# Allegro board Learn.brd (continued)
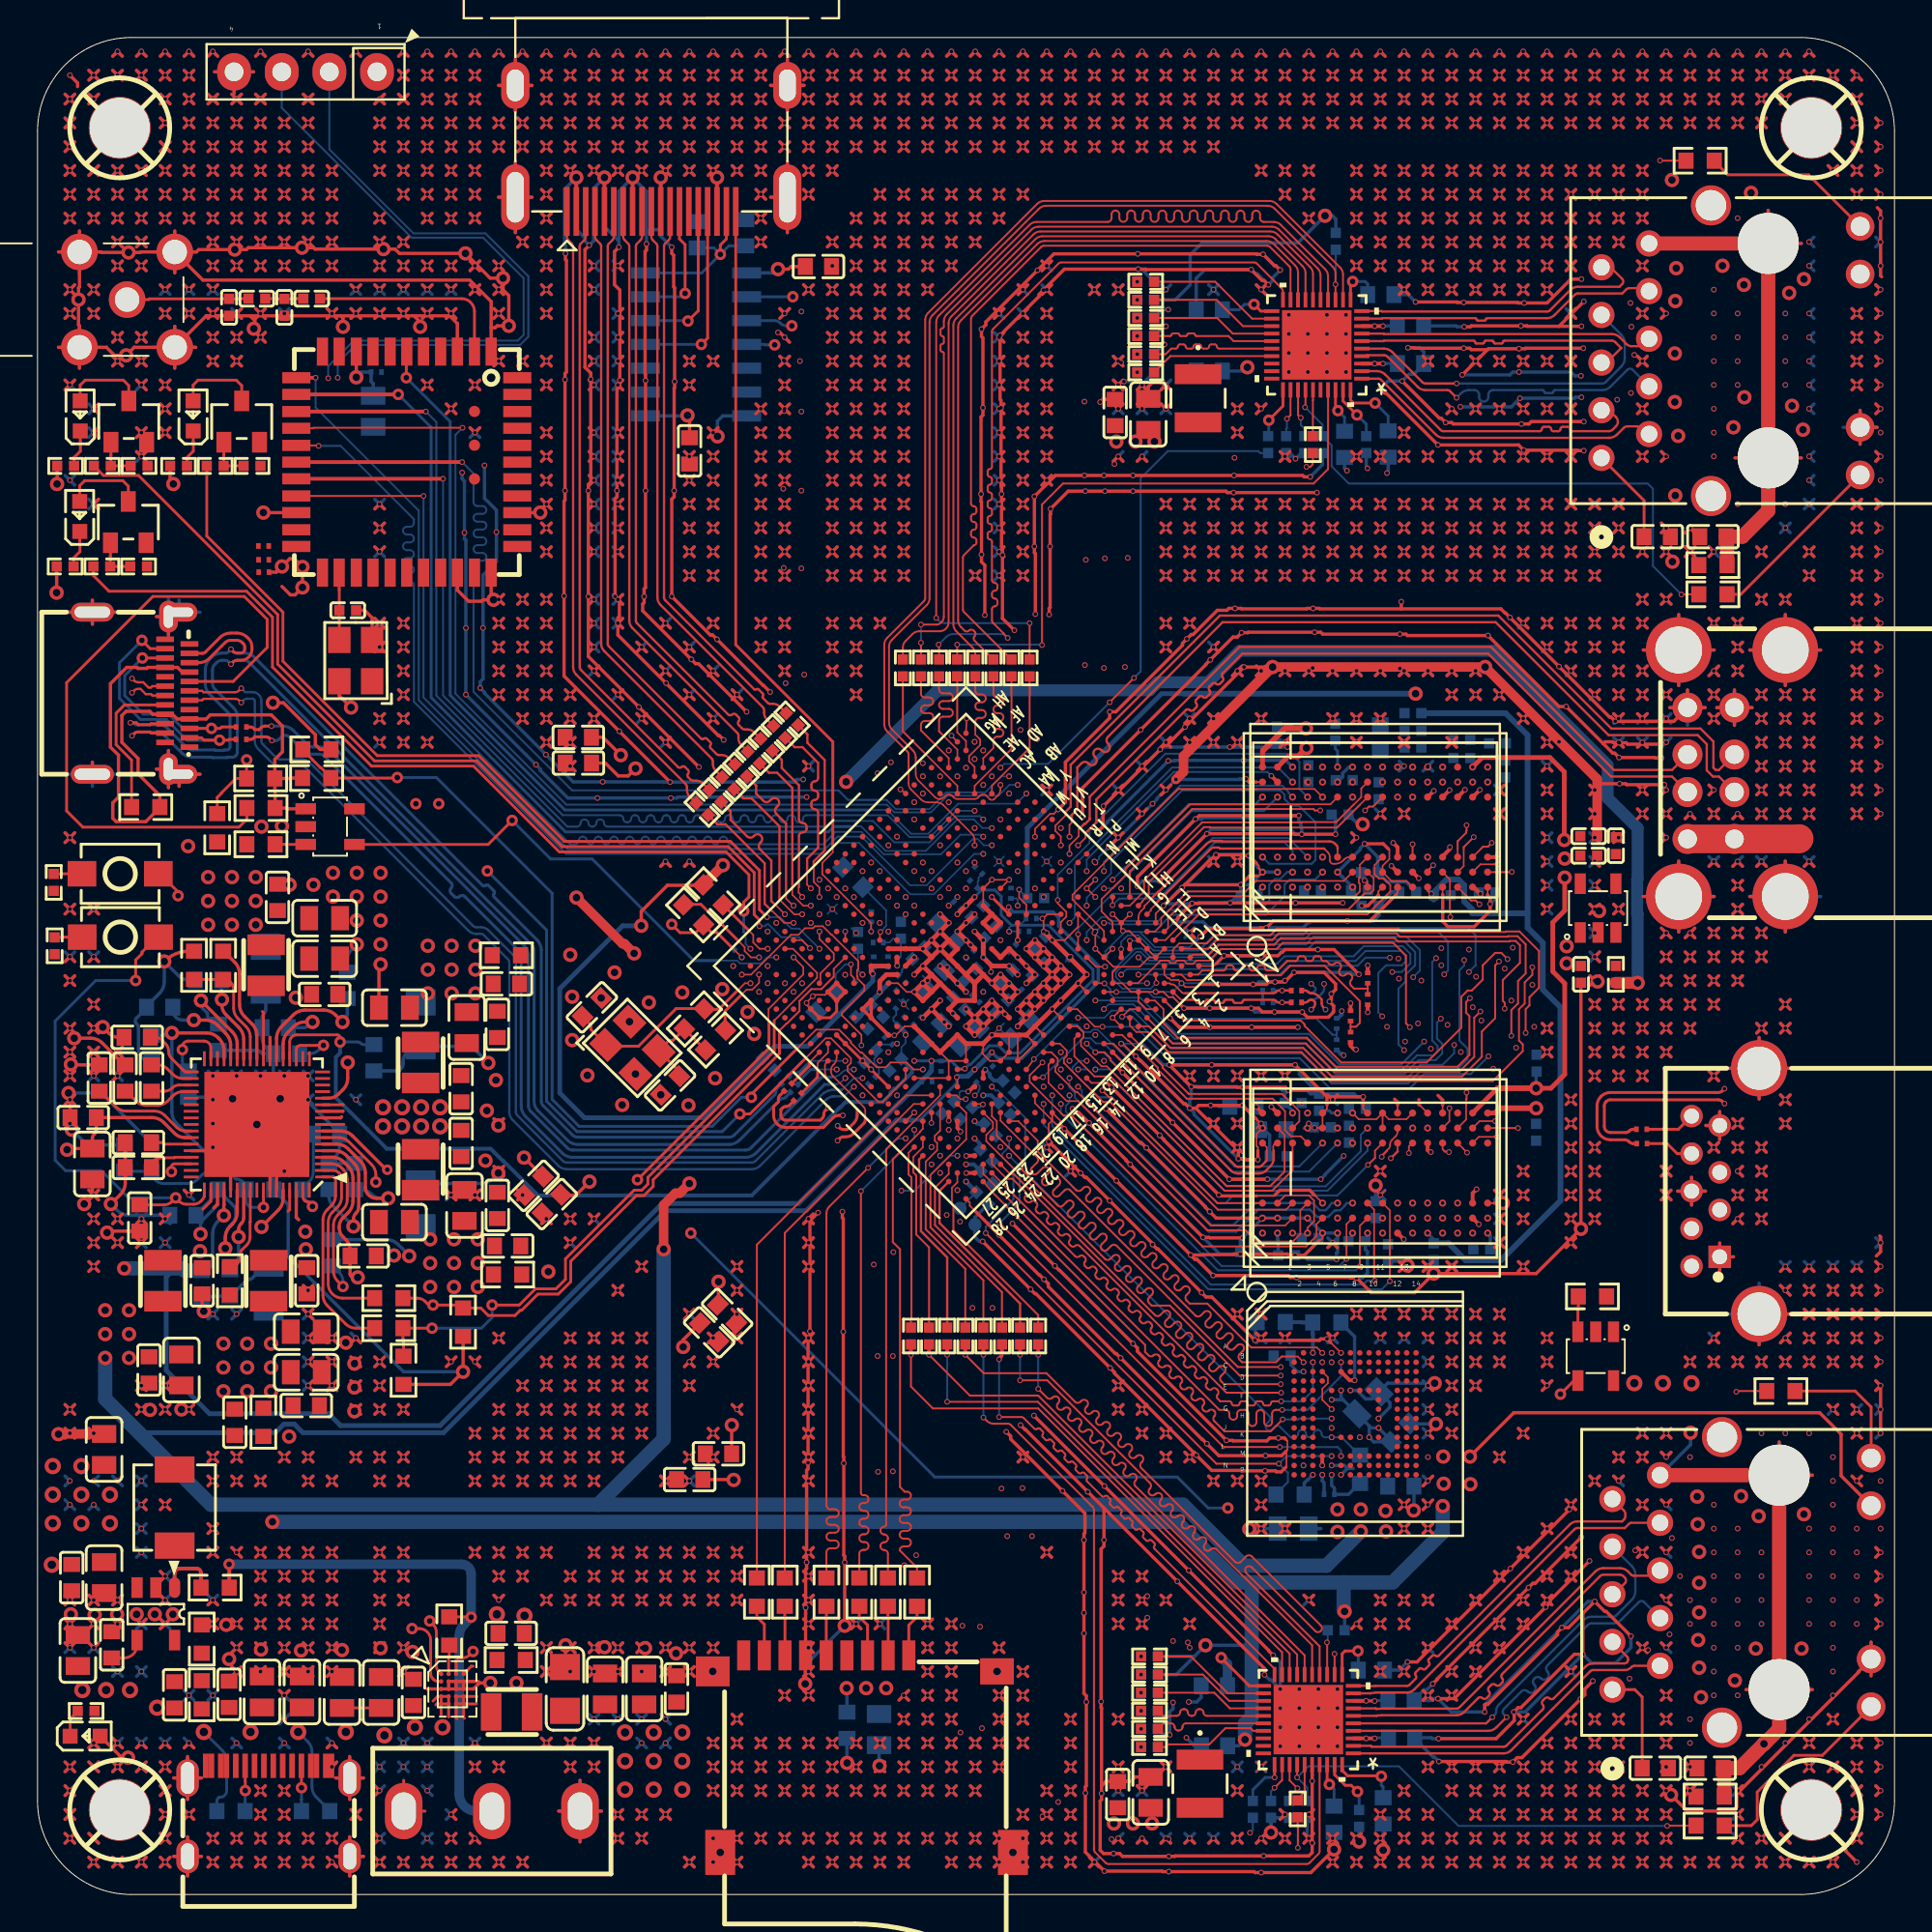
[diagram p0: board, top side]
## Routing (per net, layer and track width the routed paths; a pad name or vN(x,y) marks a point on that pad's centre or on a via; arc(x,y) is an arc through that point) (continued)
N150505730: length 1.9
  TOP w0.152: R132.1 82.13,31.28 82.11,31.26 U20.3
N151080080: length 1.5
  TOP w0.152: R147.2 1.35,51.02 1.36,51.03 SW3.1
N151082521: length 1.5
  TOP w0.152: SW2.1 1.31,54.41 1.3,54.4 R146.2

## Copper pours and planes (outline as drawn; the poured copper is in the pictures)
GND_ETH0 on TOP: 97.26,20.8 97.26,12.37 91.14,6.25 88.21,6.25 87.96,6.5 87.96,25.02 88.06,25.12 95.2,25.12 95.89,24.43 95.89,22.17
GND_ETH0 on BOTTOM: 97.23,6.6 96.88,6.25 88.19,6.25 87.93,6.5 87.93,25.02 88.04,25.12 97.18,25.12 97.23,25.07
GND_ETH0 on GND1, GND2: 97.26,6.6 96.9,6.25 88.21,6.25 87.96,6.5 87.96,25.02 88.06,25.12 97.21,25.12 97.26,25.07
GND_ETH1 on TOP: 96.09,89.66 96.09,74.45 94.21,72.57 87.05,72.57 86.79,72.82 86.79,91.34 86.89,91.44 94.31,91.44
GND_ETH1 on BOTTOM: 91.87,72.95 87.05,72.95 86.79,73.2 86.79,91.72 86.89,91.82 92.76,91.82 94.46,90.12 94.46,75.54
GND_ETH1 on GND1, GND2: 96.09,73.15 95.73,72.8 87.05,72.8 86.79,73.05 86.79,91.57 86.89,91.67 96.04,91.67 96.09,91.62
GND_POWER on TOP: 1.37,16.61 1.37,13.44 1.47,13.34 4.29,13.34 4.39,13.44 4.39,14.3 4.52,14.43 7.77,14.43 8,14.2 8,13.54 8.1,13.44 9.25,13.44 9.68,13 9.68,11.02 9.88,10.82 23.42,10.82 23.5,10.9 34.52,10.9 34.77,11.15 34.77,13.34 34.47,13.64 27.05,13.64 26.8,13.39 26.8,11.84 26.62,11.66 23.52,11.66 23.39,11.53 21.82,11.53 21.74,11.46 21.74,11.28 21.64,11.18 20.95,11.18 20.73,11.4 20.73,13.46 20.5,13.69 11.18,13.69 10.69,14.17 10.69,15.11 10.31,15.49 6.88,15.49 6.6,15.77 6.6,16.92 6.05,16.92 6.02,16.89 6.02,15.6 5.92,15.49 4.39,15.49 4.27,15.62 4.27,16.48 4.14,16.61
GND_POWER on TOP: 30.61,41.4 34.77,41.4 38.73,45.36 38.73,46.25 38.33,46.66 38.33,47.62 39.17,48.46 39.17,49.58 39.07,49.68 38.73,49.68 37.82,48.77 32.08,48.77 31.19,49.66 29.69,49.66 27.56,47.52 27.56,44.45
GND_POWER on TOP: 89.15,70.41 89.15,72.8 88.98,72.97 86.59,72.97 86.39,72.77 86.39,70.54 86.51,70.41
GND_POWER on TOP: 17.7,36.5 17.7,33.58 17.88,33.4 19.99,33.4 20.27,33.68 20.27,34.26 19.94,34.59 19.41,34.59 19.13,34.87 19.13,36.37 19,36.5
GND_POWER on TOP: 83.62,56.08 84.43,56.08 84.43,57.23 84.4,57.25 82.88,57.25 82.85,57.23 82.85,49.02 82.75,48.92 81.99,48.92 81.94,48.87 81.94,48.34 82.02,48.26 83.52,48.26 83.59,48.34 83.59,56.06
GND_POWER on TOP: 14.91,56.57 11.79,56.57 11.63,56.41 11.63,55.47 11.3,55.14 7.47,55.14 7.19,55.42 7.19,56.49 7.32,56.62 10.97,56.62 11.63,57.28 14.86,57.28 14.91,57.23
GND_POWER on TOP: 22.15,38.23 21.92,38 21.92,37.13 22.05,37.01 24.92,37.01 25.02,37.11 25.02,46.05 24.89,46.18 22.33,46.18 22.02,45.87 22.02,43.05 22.12,42.95 23.16,42.95 23.44,42.67 23.44,40.44 23.14,40.13 22.33,40.13 22.15,39.95
GND_POWER on TOP: 88.95,4.62 88.95,7.21 88.85,7.32 86.56,7.32 86.49,7.24 86.49,4.78 86.64,4.62
GND_POWER on TOP: 12.34,53.44 15.11,53.44 15.65,52.91 15.65,47.5 15.67,47.47 16.61,47.47 17.68,46.41 18.64,46.41 18.9,46.66 18.9,54.97 18.69,55.17 12.47,55.17 12.32,55.02 12.32,53.47
GND_POWER on TOP: 41.35,10.74 41.35,13.54 41.27,13.61 40.61,13.61 40.51,13.51 40.51,10.74 40.56,10.69 41.3,10.69
GND_POWER on TOP: 83.44,29.41 83.44,31.17 83.59,31.32 84.05,31.32 84.12,31.39 84.12,32.33 84.05,32.41 83.24,32.41 83.13,32.31 83.13,31.6 83.16,31.57 83.16,31.29 82.96,31.09 82.78,31.09 82.7,31.01 82.7,29.36 83.39,29.36
GND_POWER on TOP: 8.28,27.64 5.31,27.64 5.05,27.38 5.05,25.91 5.54,25.43 8.08,25.43 8.28,25.63
GND_POWER on TOP: 13.89,32.44 13.89,31.6 14.66,30.84 14.66,25.45 14.76,25.35 17.14,25.35 17.27,25.48 17.27,29.16 14.81,31.62 14.81,32.41 14.78,32.44
GND_POWER on TOP, BOTTOM: 0.66,93.98 1.93,97.05 5,98.32 93.98,98.32 97.05,97.05 98.32,93.98 98.32,5 97.05,1.93 93.98,0.66 5,0.66 1.93,1.93 0.66,5
GND_POWER on GND1, GND2: 0.3,93.98 1.68,97.3 5,98.68 93.98,98.68 97.3,97.3 98.68,93.98 98.68,5 97.3,1.68 93.98,0.3 5,0.3 1.68,1.68 0.3,5
GND_POWER on SIG: 0.3,93.98 1.68,97.3 5,98.68 93.98,98.68 97.3,97.3 98.68,93.98 98.68,5 97.3,1.68 93.98,0.3 5,0.3 1.68,1.68 0.3,5 ; 5 cut-outs
VCC3V3_SD on TOP: 42.75,13.59 42.75,10.59 42.85,10.49 45.8,10.49 45.85,10.54 45.85,11.48 45.82,11.51 43.64,11.51 43.48,11.66 43.48,13.59 43.41,13.67 42.82,13.67
VCC3V3_SD on BOTTOM: 42.8,9.12 45.87,9.12 45.95,9.19 45.95,11.51 45.9,11.56 42.85,11.56 42.75,11.46 42.75,9.17
VCC25_DDR on TOP: 82.52,53.34 82.52,56.72 82.5,56.74 81,56.74 80.9,56.64 80.9,53.39 80.95,53.34
VCC25_DDR on BOTTOM: 76.71,59.97 76.71,61.85 76.66,61.9 76.12,61.9 76.1,61.87 76.1,59.99 76.17,59.92 76.66,59.92
VCC25_DDR on BOTTOM: 80.31,42.62 80.31,44.04 80.21,44.15 79.55,44.15 79.45,44.04 79.45,42.62 79.5,42.57 80.26,42.57
VCC_1V8 on TOP: 9.47,30.78 9.22,30.53 8.53,30.53 8.24,30.82 8.24,31.94 8,32.18 3.56,32.18 3.33,31.95 3.33,28.55 3.63,28.24 8.31,28.24 8.48,28.42 8.48,29.87 8.61,30 10.31,30 10.82,30.51 10.82,32.28 10.74,32.36 9.65,32.36 9.47,32.18
VCC_1V8 on TOP: 12.14,72.24 12.14,69.93 12.93,69.14 14.38,69.14 14.63,69.39 14.63,72.16 14.55,72.24
VCC_1V8 on BOTTOM: 67.16,18.82 67.16,21.84 68.4,23.09 68.66,23.09 68.66,22.78 68.71,22.73 69.11,22.73 69.24,22.61 69.24,21.72 69.37,21.59 69.9,21.59 70.03,21.72 70.03,22.35 70.05,22.38 72.52,22.38 72.67,22.23 72.67,19.33 72.16,18.82
VCC_1V8 on BOTTOM: 3.2,31.34 3.2,28.27 3.3,28.17 5.16,28.17 5.38,28.4 5.38,31.42 5.28,31.52 3.38,31.52
VCC_3V3 on TOP: 64.19,81.05 66.17,81.05 66.24,81.13 66.24,81.69 66.14,81.79 64.11,81.79 64.08,81.76 64.08,81.15
VCC_3V3 on TOP: 65.76,7.82 64.21,7.82 63.93,8.1 63.93,8.61 63.98,8.66 64.57,8.66 64.8,8.43 65.74,8.43 65.76,8.41 65.76,8.23 65.74,8.2 64.92,8.2 64.92,8.05 64.95,8.03 65.76,8.03
VCC_3V3 on BOTTOM: 63.02,7.47 64.8,7.47 64.87,7.54 64.87,8.46 64.62,8.71 62.99,8.71 62.97,8.69 62.97,7.52
VCC_3V3 on BOTTOM: 62.74,80.75 64.85,80.75 64.97,80.87 64.97,81.66 64.8,81.84 62.84,81.84 62.74,81.74
VCC_3V3 on BOTTOM: 72.01,23.14 68.83,26.31 68.83,26.72 69.24,27.13 69.9,27.13 73.03,24 73.05,24.03 76.61,24.03 77.09,23.55 77.09,20.5 76.83,20.24 74.63,20.24 74.42,20.45 74.42,22.89 74.17,23.14
VCC_3V3_SYS on TOP: 82.58,49.23 82.58,51.84 81.2,51.84 81.05,51.69 81.05,49.33 81.15,49.23
VCC_3V3_SYS on TOP: 12.32,44.15 12.32,46.66 13.39,47.73 13.39,48.46 13.59,48.67 14.91,48.67 15.04,48.54 15.04,47.57 14.88,47.42 13.79,47.42 12.47,46.1 12.47,44.15
VCC_3V3_SYS on TOP: 9.68,37.97 9.68,36.7 9.22,36.25 9.22,32.99 8.13,32.99 7.87,33.25 7.87,35.26 9.5,36.88 9.5,37.97
VCC_3V3_SYS on TOP: 13.72,37.95 13.72,33.15 14,32.87 14.78,32.87 14.83,32.92 14.83,36.02 13.87,36.98 13.87,37.95
VCC_3V3_SYS on TOP: 14.78,41.83 17.14,41.83 17.75,42.44 21.51,42.44 21.74,42.67 23.19,42.67 23.27,42.6 23.27,40.49 23.06,40.28 21.64,40.28 21.44,40.49 17.98,40.49 17.17,41.3 14.78,41.3
VCC_3V3_SYS on TOP: 9.19,9.47 6.17,9.47 5.89,9.75 5.89,10.31 6.02,10.44 9.14,10.44 9.25,10.34 9.25,9.53
VCC_3V3_SYS on TOP: 8.43,21.92 5.61,21.92 5.08,21.39 5.08,19.18 4.27,18.36 4.27,17.17 4.19,17.09 0.38,17.09 0.33,17.14 0.33,23.14 0.58,23.39 8.43,23.39
VCC_3V3_SYS on PWR: 0.79,16.74 2.95,16.74 8.48,22.28 8.48,31.62 8.71,31.85 17.22,31.85 19.74,34.37 19.74,35.64 19.99,35.89 21.56,35.89 22.28,36.6 22.28,46.05 21.13,47.19 19.68,47.19 19.05,47.83 19.05,49.05 17.55,50.55 4.72,50.55 0.41,46.23 0.41,17.12
VCC_CPU on TOP: 25.81,10.74 34.57,10.74 34.87,10.44 34.87,4.75 34.85,4.72 30.86,4.72 30.81,4.78 30.81,8.03 30.12,8.71 25.78,8.71 25.78,10.72
VCC_CPU on TOP: 26.42,12.06 26.42,15.24 26.37,15.29 25.58,15.29 25.53,15.24 25.53,12.06 25.58,12.01 26.37,12.01
VCC_CPU on BOTTOM: 49.99,45.57 50.19,45.57 51.26,46.63 51.59,46.63 51.71,46.51 51.79,46.51 51.99,46.71 51.99,46.81 50.98,47.83 50.83,47.83 50.14,47.14 49.94,47.14 49.53,47.55 49.43,47.55 49.05,47.17 49.05,47.07 49.4,46.71 49.4,46.41 49.3,46.3 49.3,46.25
VCC_CPU on PWR: 31.14,5.23 40.87,5.23 51.94,16.31 51.94,46.66 52.02,46.74 52.02,46.84 50.95,47.9 50.67,47.9 50.13,47.36 49.45,47.36 49.35,47.25 49.35,46.12 45.97,42.75 45.97,35.41 30.89,20.32 30.89,5.49
VCC_DDR4 on TOP: 14.99,49.23 14.17,49.23 13.31,50.09 10.59,50.09 10.31,49.81 9.35,49.81 9.3,49.86 9.3,50.67 8.94,51.03 8.94,54.43 8.99,54.48 11.84,54.48 11.94,54.38 11.94,53.24 12.09,53.09 14.78,53.09 14.99,52.88
VCC_DDR4 on BOTTOM: 64.49,42.55 64.49,41.61 64.77,41.33 65.74,41.33 66.07,41 66.07,39.32 66.4,38.99 66.93,38.99 67.06,39.12 67.06,41.17 65.61,42.62 64.57,42.62
VCC_DDR4 on BOTTOM: 71.17,59 71.93,59 72.06,59.13 72.06,61.34 72.03,61.37 71.12,61.37 71.07,61.32 71.07,59.11
VCC_DDR4 on BOTTOM: 64.67,33.96 67.41,33.96 67.94,34.49 67.94,35.59 67.64,35.89 65.46,35.89 64.59,35.03 64.59,34.04
VCC_DDR4 on BOTTOM: 73.13,59.89 73.46,59.89 74.14,60.58 74.14,62.31 74.09,62.36 73.48,62.36 73.48,60.83 73.36,60.71 73.18,60.71 72.97,60.5 72.97,60.05
VCC_DDR4 on BOTTOM: 77.19,59.97 78.31,59.97 78.56,60.22 78.56,60.66 78.46,60.76 77.7,60.76 77.67,60.78 77.67,61.49 77.6,61.57 77.06,61.57 77.01,61.52 77.01,60.15
VCC_DDR4 on BOTTOM: 52.04,47.19 52.04,46.28 52.37,45.95 52.86,45.95 53.49,46.58 53.49,47.17 55.17,48.84 55.17,49.12 53.26,51.03 53.09,51.03 52.5,50.44 52.5,50.34 53.67,49.17 53.67,48.82
VCC_DDR4 on BOTTOM: 73.58,34.19 69.88,34.19 69.6,34.47 69.6,35.41 69.11,35.89 69.11,36.17 69.37,36.42 73.23,36.42 73.58,36.07
VCC_DDR4 on BOTTOM: 13,49.78 10.16,49.78 8.33,51.61 8.33,54.58 8.48,54.74 11.96,54.74 12.22,54.48 12.22,52.32 13.06,51.49 13.06,49.83
VCC_DDR4 on BOTTOM: 68.05,59.92 68.05,62.31 67.74,62.61 67.36,62.61 67.34,62.59 67.34,60.05 67.41,59.97 67.41,59.94 67.44,59.92
VCC_DDR4 on BOTTOM: 80.26,40.77 80.26,42.19 80.14,42.32 79.48,42.32 79.45,42.29 79.45,40.79 79.5,40.74 80.24,40.74
VCC_DDR4 on PWR: 52.16,46.62 52.22,46.69 52.22,46.89 51.99,47.12 51.99,47.27 53.57,48.84 53.57,49.2 52.58,50.19 52.58,50.7 53.57,51.69 53.59,51.69 56.18,54.28 56.18,59.39 51.99,63.58 21.06,63.58 12.34,54.86 12.34,51.49 11.81,50.95 6.55,50.95 5,52.5 5,65.05 8.84,68.88 84.05,68.88 86.66,66.27 86.66,30.15 85.83,29.31 54.43,29.31 52.16,31.58
VCC_GPU on TOP: 19.41,38.1 19.41,34.98 19.61,34.77 20.09,34.77 20.42,34.44 20.42,32.18 20.62,31.98 24.51,31.98 24.87,32.33 24.87,36.47 22.07,36.47 21.44,37.11 21.44,38.1
VCC_GPU on TOP: 25.32,35.05 25.32,32.64 25.45,32.51 27.53,32.51 27.91,32.89 27.91,33.66 27.61,33.96 26.7,33.96 26.21,34.44 26.21,34.92 26.09,35.05
VCC_GPU on BOTTOM: 19.61,36.25 19.61,34.9 19.81,34.7 20.4,34.7 20.42,34.72 20.52,34.62 20.52,32.18 20.75,31.95 23.72,31.95 24,32.23 24,35.92 23.65,36.27 19.63,36.27
VCC_GPU on BOTTOM: 49.94,50.11 50.11,50.29 50.11,50.57 49.53,51.16 49.53,51.44 50.19,52.1 50.19,52.25 49.94,52.5 49.76,52.5 48.87,51.61 48.87,51.31 48.36,50.8 48.36,50.72 48.87,50.22 48.97,50.22 49.3,50.55 49.45,50.55 49.89,50.11
VCC_GPU on PWR: 20.35,31.9 24.49,31.9 42.76,50.18 50.05,50.18 50.19,50.32 50.19,50.6 49.63,51.16 49.63,51.41 50.39,52.17 50.39,53.42 48.13,55.68 38.46,55.68 38.44,55.66 33.72,55.66 22.61,44.55 22.61,35.99 22.02,35.41 20.8,35.41 20.12,34.72 20.12,32.13
VCC_LOGIC on TOP: 25.32,48.06 25.32,50.47 25.45,50.6 29.34,50.6 29.46,50.47 29.46,49.71 28.91,49.15 26.7,49.15 26.21,48.67 26.21,48.18 26.09,48.06
VCC_LOGIC on TOP: 19.4,44.91 19.4,50.82 19.6,51.03 24.51,51.03 24.86,50.67 24.86,46.53 22.07,46.53 21.43,45.9 21.43,44.91
VCC_LOGIC on BOTTOM: 49.83,47.75 49.63,47.75 48.74,48.64 48.39,48.64 47.75,49.28 47.75,49.4 48.23,49.89 48.34,49.89 49.1,49.12 49.4,49.12 50.04,48.49 50.04,47.96
VCC_LOGIC on BOTTOM: 50.47,51.38 50.09,51 50.09,50.88 50.29,50.67 50.29,49.86 50.83,49.33 51.38,49.33 51.41,49.35 51.49,49.35 52.07,48.77 52.22,48.77 52.4,48.95 52.4,49.28 50.85,50.83 50.85,51
VCC_LOGIC on BOTTOM: 20.4,50.95 20.4,49.1 19.58,48.29 19.58,46.84 19.66,46.76 23.52,46.76 23.77,47.02 23.77,50.88 23.65,51 20.45,51
VCC_LOGIC on PWR: 49.53,47.68 50.29,48.44 51.33,48.44 51.49,48.29 52.68,48.29 53.26,48.87 53.26,49.35 52.45,50.16 52.45,50.8 55.8,54.15 55.8,58.7 51.46,63.04 27.36,63.04 20.37,56.06 20.37,47.8 20.62,47.55 23.75,47.55 32.59,56.39 48.69,56.39 50.83,54.25 50.83,52.4 49.83,51.41 49.83,51.26 50.32,50.77 50.32,50.19 49.76,49.63 48.01,49.63 47.65,49.28 47.65,48.54 48.51,47.68
VCC_NPU on TOP: 10.03,24.89 13.82,24.89 13.92,24.79 13.92,24 13.82,23.9 10.01,23.9 9.93,23.98 9.93,24.79
VCC_NPU on TOP: 11.3,32.18 11.3,30.56 10.49,29.74 8.84,29.74 8.74,29.64 8.74,25.43 8.81,25.35 13.92,25.35 14.07,25.5 14.07,30.53 13.31,31.29 13.31,32.21 11.33,32.21
VCC_NPU on BOTTOM: 48.87,46.35 48.87,46.38 48.23,47.02 48.23,47.47 48.31,47.55 48.31,47.75 48.18,47.88 47.93,47.88 46.89,46.84 46.89,46.71 47.85,45.75 48.26,45.75
VCC_NPU on BOTTOM: 11.53,31.98 11.53,31.57 9.47,29.51 9.47,26.44 9.58,26.34 12.95,26.34 13.13,26.52 13.13,32.03 11.58,32.03
VCC_NPU on PWR: 9.63,29.84 12.98,29.84 12.99,29.83 25.49,29.83 25.5,29.82 43.56,47.88 48.11,47.88 48.87,47.12 48.87,46.28 48.5,45.91 47.31,45.91 44.58,43.18 44.58,35.86 28.12,19.41 19.86,19.41 14,25.27 10.54,25.27 9.42,26.39 9.42,29.64
VCC_USB_HOST on TOP: 83.77,29.49 88.42,29.49 92.76,33.83 97.05,33.83 97.76,34.54 97.76,56.54 97.28,57.02 87.63,57.02 87,56.39 87,56.21 87.68,55.52 94.74,55.52 95.28,54.99 95.28,37.16 93.52,35.41 89.43,35.41 89.03,35 89.03,33.07 86.54,30.58 83.72,30.58 83.72,29.54
VDD_CPU_COM on TOP: 24.92,11.86 24.92,15.32 24.84,15.39 24.21,15.39 24.08,15.27 24.08,12.6 23.95,12.47 22.73,12.47 22.58,12.32 22.58,11.66 22.89,11.66 23.04,11.81 24.87,11.81
VIN_5V on TOP: 16.36,57.53 21.87,57.53 21.97,57.63 21.97,58.65 21.92,58.7 17.93,58.7 17.45,58.22 16.38,58.22 16.36,58.19
VIN_5V on TOP: 83.62,26.16 83.62,27.91 83.69,27.99 84.2,27.99 84.35,27.84 84.35,26.7 84.51,26.54 84.66,26.54 84.66,27.69 84.71,27.74 88.85,27.74 88.9,27.69 88.9,26.14 88.72,25.96 83.82,25.96
VIN_5V on TOP: 14.38,6.17 14.38,7.85 14.12,8.1 10.41,8.1 10.26,7.95 10.26,6.15 9.55,6.15 9.55,7.92 9.37,8.1 4.78,8.1 3.63,9.25 2.79,9.25 2.72,9.32 2.72,10.19 2.54,10.36 0.89,10.36 0.69,10.57 0.69,12.57 0.86,12.75 2.87,12.75 2.95,12.83 4.83,12.83 4.95,12.95 4.95,14.15 5.66,14.15 5.66,9.68 6.1,9.25 9.5,9.25 9.73,9.47 9.73,10.41 9.8,10.49 21.23,10.49 21.41,10.67 21.97,10.67 22.05,10.59 22.05,4.24 20.65,2.84 18.49,2.84 18.14,3.2 18.14,7.01 17.04,8.1 15.29,8.1 15.06,7.87 15.06,6.17
DDRPHY_VREFOUT on BOTTOM: 73.15,61.75 73.15,63.35 73.25,63.45 74.02,63.45 74.07,63.5 74.07,64.49 74.04,64.52 72.59,64.52 72.57,64.49 72.57,61.75
ETH0_VCC_1V on TOP: 56.95,5.18 63.22,5.18 63.27,5.13 63.27,3.78 62.81,3.33 57.25,3.33 56.95,3.63
ETH0_VCC_1V on PWR: 66.8,4.32 70.08,7.59 70.08,11.51 69.88,11.71 63.32,11.71 62.41,12.62 62.41,14.5 62.74,14.83 70.89,14.83 72.36,13.36 72.36,4.9 70.18,2.72 57.28,2.72 56.77,3.23 56.77,4.22 56.87,4.32
ETH1_VCC_1V on TOP: 63.32,76.78 63.4,76.86 63.4,78.92 63.27,79.04 56.97,79.04 56.74,78.82 56.74,76.91 56.87,76.78
ETH1_VCC_1V on PWR: 56.97,76.76 71.27,76.76 72.09,77.57 72.09,86.18 71.81,86.46 62.81,86.46 61.82,85.47 61.82,83.46 62.13,83.16 64.92,83.16 66.62,84.86 69.85,84.86 70.51,84.2 70.51,80.7 69.77,79.96 57.05,79.96 56.85,79.76 56.85,76.89
N02573 on TOP: 6.83,10.9 9.17,10.9 9.35,11.07 9.35,13.13 9.17,13.31 7.8,13.31 7.7,13.41 7.7,14.1 7.67,14.12 6.88,14.12 6.83,14.07
N03782 on TOP: 22.23,10.69 23.57,10.69 23.65,10.77 24.69,10.77 24.77,10.69 24.77,8.71 24.61,8.56 22.28,8.56 22.23,8.61
N021410 on TOP: 5.66,15.75 5.66,17.68 5.87,17.88 8.43,17.88 8.43,19.33 8.38,19.38 5.82,19.38 4.95,18.52 4.95,15.75
N097171 on TOP: 14.81,42.19 15.93,42.19 17.55,43.81 21.41,43.81 21.46,43.76 21.46,42.67 17.73,42.67 17.07,42.01 14.78,42.01 14.78,42.16
N097174 on TOP: 14.78,41.12 17.12,41.12 17.98,40.26 21.44,40.26 21.44,39.17 18.41,39.17 16.61,40.97 14.81,40.97 14.78,41
N097177 on TOP: 11.18,48.95 11.18,47.14 11.96,46.35 11.96,44.15 12.12,44.15 12.12,46.81 13.18,47.88 13.18,49 11.23,49
N0971711 on TOP: 13.36,37.95 13.36,36.63 12.51,35.78 12.51,35.39 11.33,34.21 11.33,33.25 11.35,33.22 13.28,33.22 13.51,33.45 13.51,37.95
N0985013 on TOP: 9.32,37.95 9.32,36.91 7.7,35.28 7.7,33.25 5.66,33.25 5.66,34.34 7.87,36.55 8.64,36.55 9.17,37.08 9.17,37.95
N14901346 on TOP: 83.82,51.84 83.82,49.25 83.87,49.2 84.4,49.2 84.45,49.25 84.45,51.82 84.43,51.84
N14901358 on TOP: 84.43,53.34 84.43,55.75 83.85,55.75 83.82,55.73 83.82,53.37 83.85,53.34
N150501720 on TOP: 14.91,55.6 13.21,55.6 13.11,55.5 12.22,55.5 12.17,55.55 12.17,56.46 12.19,56.49 13.11,56.49 13.28,56.31 14.88,56.31 14.91,56.29
N150505730 on TOP: 82.47,29.39 82.47,31.24 82.6,31.37 82.6,32.28 82.5,32.38 81.74,32.38 81.64,32.28 81.64,30.71 81.76,30.58 81.76,29.41 81.79,29.39
N1496612534 on TOP: 60.68,6.65 64.06,6.65 64.85,7.44 65.76,7.44 65.76,7.62 63.3,7.62 63.14,7.77 60.68,7.77
N1497688334 on TOP: 66.19,80.7 65.48,80.7 65.3,80.52 60.6,80.52 60.5,80.62 60.5,81.53 60.58,81.61 63.25,81.61 64.01,80.85 65.3,80.85 65.38,80.92 66.19,80.92

Small or netless copper shapes (teardrops, artwork), in the pictures only: 1517 on TOP, 849 on BOTTOM, 20 on PWR, 375 on SIG

## Text on the board
COMPVAL_TYPE_TOP: FIGURE | FINISHED_SIZE | 7.87 | 10.0 | 12.01 | 15.98 | 17.99 | 35.0 | 39.41 | 40.0 | 51.18 | 64.02 | 126.0 | 127.99 | 31.5x31.5 | 39.41x39.41 | 47.2x19.69 | 55.12x27.6 | 59.09x19.69 | 66.89x27.6 | 66.89x35.39 | 74.8x23.58 | 78.7x51.18 | 90.59x90.59 | 98.39x98.39 | 106.3x35.39 | DRILL CHART: TOP to BOTTOM | ALL UNITS ARE IN MILS | ROTATION | - | 90.000 | 0.000 | PLATED | NON-PLATED | QTY | 3126 | 1 | 59 | 291 | 42 | 20 | 4 | 8 | 5 | 9 | 2 | 3
